# KiCad board paws60.kicad_pcb (continued)
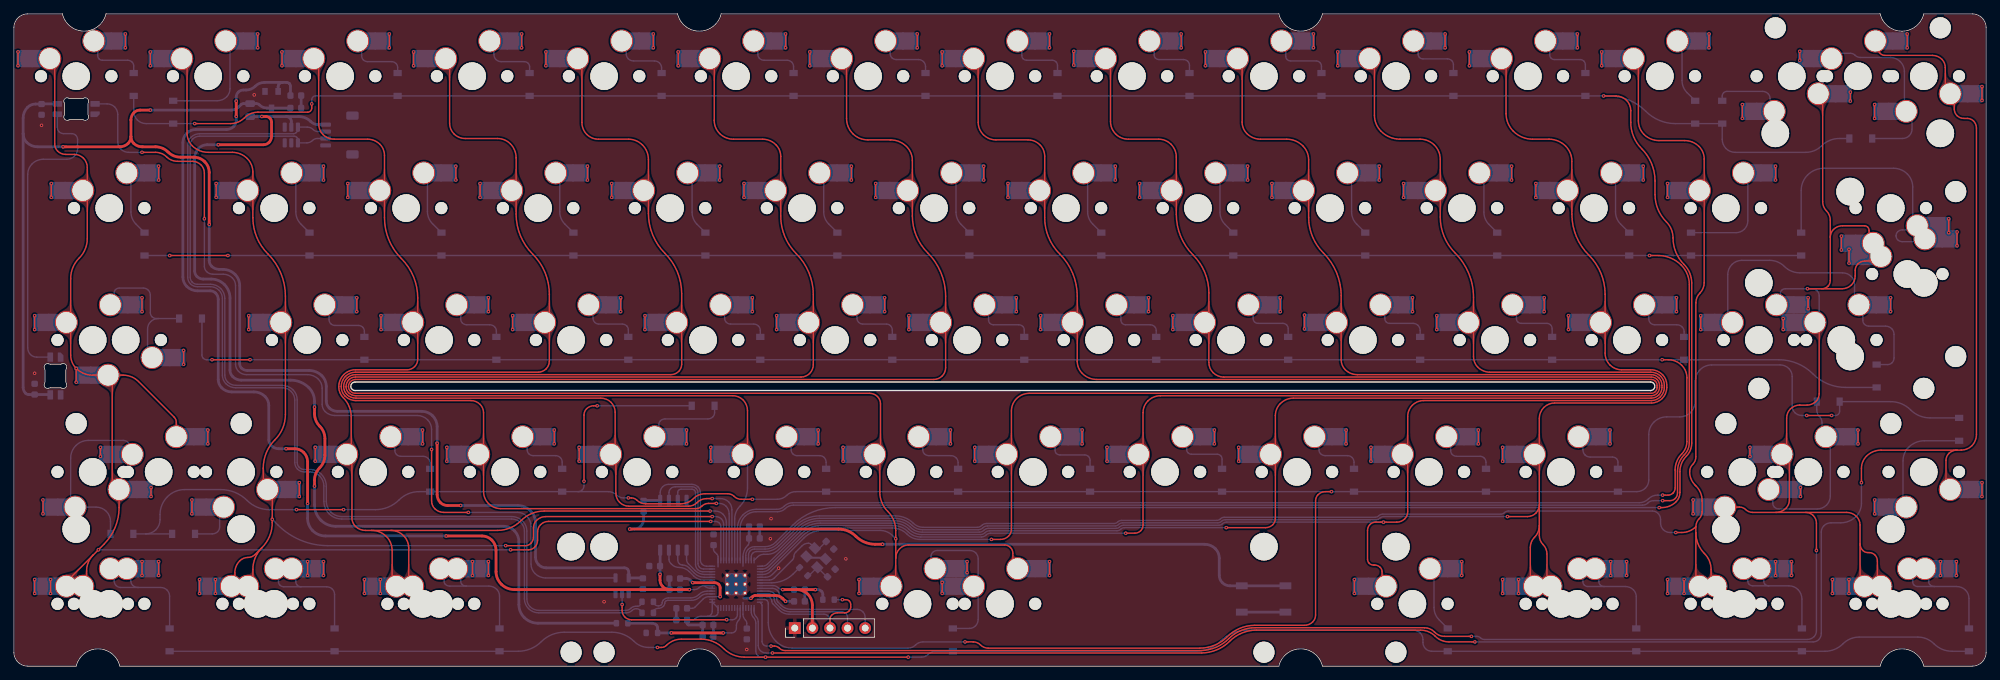
[diagram p0: board, top side]
## Routing (per net, layer and track width the routed paths; a pad name or vN(x,y) marks a point on that pad's centre or on a via; arc(x,y) is an arc through that point) (continued)
+5V: length 221.4
  Top w0.4: v1(19.7,80.3) 18.21,80.3 arc(17.74,80.21) 17.34,79.94 arc(17.01,79.45) 16.9,78.88 16.9,76.46 ; v1(61.1,32.2) 61.1,24.77 arc(61.22,24.15) 61.58,23.62 arc(62.05,23.31) 62.6,23.2 v1(64.5,23.2) ; v1(28.2,63.8) 28.2,71.31 arc(28.04,72.13) 27.57,72.83 arc(26.83,73.33) 25.95,73.5 24.06,73.5 arc(23.08,73.7) 22.25,74.25 arc(21.42,74.81) 20.44,75 18.51,75 arc(17.85,75.13) 17.3,75.5 arc(17,75.94) 16.9,76.46 ; v1(7.1,75) 15.29,75 arc(15.95,75.13) 16.5,75.5 arc(16.8,75.94) 16.9,76.46
  Bottom w0.4: LED1.1 4.03,81.2 C19.1 3.13,81.18 arc(2.51,81.05) 1.98,80.7 arc(1.51,79.99) 1.34,79.16 1.34,76.9 ; v1(61.1,32.2) 61.1,34.58 arc(60.93,35.43) 60.45,36.15 arc(59.73,36.63) 58.88,36.8 46.69,36.8 arc(46.05,36.93) 45.51,37.29 arc(45.21,37.74) 45.1,38.28 45.1,40.41 arc(44.94,41.23) 44.47,41.93 arc(43.62,42.5) 42.61,42.7 33.69,42.7 arc(33.24,42.79) 32.86,43.04 arc(32.67,43.33) 32.6,43.66 32.6,54.95 arc(32.43,55.83) 31.93,56.57 arc(31.12,57.11) 30.17,57.3 29.65,57.3 arc(29.05,57.42) 28.54,57.76 arc(28.29,58.14) 28.2,58.59 v1(28.2,63.8) ; C18.1 90.74,12.74 U3.5 88.75,13.64 arc(88.71,13.83) 88.6,14 arc(88.38,14.15) 88.11,14.2 76.84,14.2 arc(76.25,14.32) 75.75,14.65 arc(75.42,15.15) 75.3,15.73 75.3,20.72 arc(75.12,21.63) 74.61,22.39 74.56,22.44 arc(73.72,23) 72.72,23.2 v1(64.5,23.2) ; 1.34,76.9 1.34,40.26 arc(1.43,39.8) 1.69,39.41 arc(1.89,39.27) 2.13,39.23 C20.1 5.2,39.23 LED2.1 ; 1.34,76.9 arc(1.48,76.21) 1.86,75.64 arc(2.57,75.17) 3.4,75 v1(7.1,75) ; v1(19.7,80.3) 31.39,80.3 arc(31.95,80.41) 32.43,80.73 32.79,81.09 arc(32.95,81.2) 33.14,81.24 F1.2 34.99,81.24 arc(35.24,81.19) 35.45,81.05 arc(35.95,80.72) 36.53,80.6 RG1.3 39.93,80.6
/VBUS_DETECT: length 20.2
  Top w0.4: v1(94.9,4.8) v1(102.4,4.8)
  Bottom w0.2: v1(102.4,4.8) 103.61,4.8 arc(103.88,4.85) 104.1,5 arc(104.25,5.22) 104.3,5.48 104.3,5.87 arc(104.38,6.27) 104.6,6.6 arc(104.79,6.88) 104.85,7.2 U1.34
  Bottom w0.4: R4.2 92.11,6.2 arc(92.47,6.13) 92.78,5.92 arc(92.89,5.76) 92.93,5.57 R5.1 v1(94.9,4.8)
GND: length 26.5
  Bottom w0.2: v1(110.4,14.15) 109.49,13.25 arc(109.04,12.94) 108.5,12.83 U1.19
  Bottom w0.3: Y1.2 114.6,15.65 117,15.65 Y1.4
  Bottom w0.4: BOOT.1 BOOT.1 ; C18.2 90.87,11.05 C11.2 C12.2 ; C10.2 C2.2 ; C8.2 C9.2 ; C1.2 C3.2 ; C6.2 C7.2 ; C17.2 C16.2
  vias: v1(3,42.3) v1(4,78.1) v1(34.7,82.5) v1(85.2,9.3) v1(105.8,2.4) v1(109.2,18.4) v1(109.3,21.3) v1(120.1,15.5)
VBUS: length 151.7
  Top w0.4: v1(35.8,79.38) 36.4,79.38 arc(36.7,79.32) 36.95,79.15 arc(37.13,78.87) 37.2,78.55 37.2,76.54 arc(37.1,76.04) 36.82,75.62 arc(36.47,75.38) 36.05,75.3 v1(29.5,75.3) ; v1(43.4,37.4) 43.4,36.47 arc(43.6,35.48) 44.16,34.64 arc(44.71,33.82) 44.9,32.85 44.9,30.47 arc(44.7,29.48) 44.15,28.65 arc(43.59,27.82) 43.4,26.84 v1(43.4,26)
  Bottom w0.2: 35.74,79.36 35.75,79.38 35.77,79.36
  Bottom w0.4: J1.1 43.95,78.2 arc(43.35,78.32) 42.84,78.66 arc(42.06,79.18) 41.14,79.36 39.32,79.36 ; F1.1 35.74,79.36 ; v1(43.4,37.4) 43.4,38.26 arc(43.19,39.31) 42.59,40.21 arc(41.38,41.02) 39.96,41.3 32.83,41.3 arc(32.16,41.43) 31.59,41.81 arc(31.3,42.24) 31.2,42.75 31.2,53.15 arc(30.99,54.21) 30.39,55.11 arc(29.52,55.7) 28.49,55.9 27.34,55.9 arc(26.84,56) 26.42,56.28 arc(26.18,56.63) 26.1,57.05 26.1,73.36 arc(26.25,74.14) 26.7,74.8 arc(27.25,75.17) 27.91,75.3 v1(29.5,75.3) ; 39.32,79.36 35.77,79.36 ; 39.32,79.36 arc(39.61,79.3) 39.86,79.14 arc(40,78.93) 40.05,78.68 ESD1.5 ; R4.1 75.67,6.2 arc(74.59,6.41) 73.67,7.03 arc(73.1,7.88) 72.9,8.9 72.9,18 arc(72.73,18.83) 72.26,19.54 arc(71.53,20.03) 70.66,20.2 46.45,20.2 arc(45.3,20.43) 44.32,21.08 arc(43.64,22.1) 43.4,23.3 v1(43.4,26)
/DM: length 148.1
  Bottom w0.2: R7.2 90.68,7.83 90.44,8.06 arc(90.17,8.24) 89.85,8.3 arc(89.53,8.24) 89.25,8.05 arc(88.86,7.79) 88.4,7.7 75.77,7.7 arc(74.97,7.86) 74.29,8.31 arc(73.85,8.96) 73.7,9.73 73.7,19.52 arc(73.58,20.15) 73.22,20.68 arc(72.59,21.1) 71.84,21.25 47.33,21.25 arc(46.34,21.45) 45.5,22.01 arc(44.94,22.84) 44.75,23.81 44.75,26.02 arc(44.6,26.79) 44.16,27.44 arc(43.49,27.89) 42.7,28.05 41.92,28.05 arc(41.39,28.16) 40.94,28.46 arc(40.65,28.89) 40.55,29.41 40.55,38.42 arc(40.42,39.09) 40.04,39.66 arc(39.44,40.06) 38.74,40.2 32.03,40.2 arc(31.26,40.35) 30.61,40.79 arc(30.23,41.35) 30.1,42.02 30.1,53.1 arc(29.97,53.75) 29.61,54.29 arc(29.05,54.67) 28.38,54.8 26.47,54.8 arc(25.94,54.9) 25.5,55.2 arc(25.2,55.64) 25.1,56.16 25.1,75.22 arc(25.22,75.85) 25.58,76.38 arc(26.14,76.75) 26.8,76.89 40.38,76.89 arc(40.57,76.92) 40.73,77.03 41,77.3 ESD1.6 42.36,77.84 arc(42.82,77.75) 43.21,77.49 arc(43.53,77.28) 43.91,77.2 J1.2
/DP: length 147.2
  Bottom w0.2: J1.3 43.81,76.2 arc(43.43,76.12) 43.11,75.91 arc(42.73,75.66) 42.29,75.57 ESD1.1 41,76.2 40.81,76.39 arc(40.65,76.5) 40.46,76.54 26.82,76.54 arc(26.28,76.43) 25.82,76.12 arc(25.55,75.71) 25.45,75.22 25.45,56.16 arc(25.53,55.78) 25.74,55.46 25.76,55.44 arc(26.08,55.23) 26.46,55.15 28.37,55.15 arc(29.18,54.99) 29.86,54.53 arc(30.3,53.88) 30.45,53.11 30.45,42.03 arc(30.56,41.49) 30.86,41.04 arc(31.4,40.68) 32.04,40.55 38.71,40.55 arc(39.57,40.38) 40.3,39.89 arc(40.74,39.23) 40.9,38.45 40.9,29.41 arc(40.98,29.03) 41.19,28.71 41.21,28.69 arc(41.53,28.48) 41.91,28.4 42.77,28.4 arc(43.63,28.23) 44.36,27.74 arc(44.91,26.92) 45.1,25.95 45.1,23.78 arc(45.26,22.97) 45.72,22.28 arc(46.47,21.78) 47.36,21.6 71.85,21.6 arc(72.72,21.43) 73.46,20.93 arc(73.9,20.28) 74.05,19.51 74.05,9.69 arc(74.17,9.09) 74.51,8.59 arc(75.1,8.19) 75.81,8.05 88.35,8.05 arc(88.72,8.12) 89.05,8.34 arc(89.39,8.57) 89.79,8.65 90.04,8.65 arc(90.23,8.69) 90.4,8.8 90.68,9.08 R6.2
/~{USB_BOOT}: length 103.6
  Top w0.4: v1(88.9,19.8) 119.02,19.8 arc(120.39,19.53) 121.55,18.75 arc(122.82,17.9) 124.33,17.6 v1(125.4,17.6)
  Bottom w0.4: BOOT.2 BOOT.2 175.55,11.6 arc(174.95,11.72) 174.44,12.06 arc(174.11,12.55) 174,13.13 174,15.62 arc(173.86,16.34) 173.45,16.95 arc(172.73,17.43) 171.89,17.6 v1(125.4,17.6) ; R3.1 90.9,21.22 arc(90.79,20.65) 90.46,20.16 arc(90.06,19.89) 89.58,19.8 v1(88.9,19.8)
ARGB_3V3: length 21.2
  Top w0.2: v1(87.8,8.9) 87.8,8.06 arc(87.9,7.54) 88.19,7.11 arc(88.64,6.81) 89.17,6.7 v1(102.9,6.7)
  Bottom w0.2: v1(102.9,6.7) 103.7,6.7 arc(103.98,6.76) 104.21,6.91 arc(104.39,7.18) 104.45,7.49 U1.35 ; U3.2 v1(87.8,8.9)
ARGB_5V: length 133.7
  Top w0.2: v1(60.3,31.3) 60.3,23.86 arc(60.42,23.25) 60.77,22.73 arc(61.36,22.34) 62.05,22.2 v1(65.6,22.2) ; v1(18.5,74.2) 20.46,74.2 arc(21.33,74.03) 22.07,73.53 arc(22.77,73.06) 23.6,72.9 25.78,72.9 arc(26.44,72.77) 27.01,72.39 arc(27.37,71.85) 27.5,71.21 v1(27.5,64.6)
  Bottom w0.2: U3.4 76.77,12.74 arc(75.93,12.9) 75.22,13.38 arc(74.8,14.01) 74.65,14.76 74.65,20.21 arc(74.5,20.99) 74.05,21.65 arc(73.44,22.06) 72.72,22.2 v1(65.6,22.2) ; v1(18.5,74.2) 16.57,74.2 arc(15.95,74.32) 15.42,74.68 arc(15.11,75.15) 15,75.7 15,79.66 arc(14.88,80.25) 14.55,80.75 arc(14.05,81.08) 13.46,81.2 LED1.3 ; v1(60.3,31.3) 60.3,34.19 arc(60.15,34.94) 59.72,35.58 arc(59.03,36.04) 58.22,36.2 46.3,36.2 arc(45.56,36.35) 44.94,36.76 arc(44.61,37.25) 44.5,37.82 44.5,40.14 arc(44.36,40.84) 43.96,41.44 arc(43.23,41.93) 42.37,42.1 33.57,42.1 arc(32.95,42.22) 32.43,42.57 arc(32.11,43.05) 32,43.6 32,54.97 arc(31.88,55.55) 31.55,56.05 arc(30.94,56.46) 30.22,56.6 28.74,56.6 arc(28.24,56.7) 27.82,56.98 arc(27.58,57.33) 27.5,57.75 v1(27.5,64.6)
Col0: length 222.1
  Top w0.2: v1(3,12.5) v1(3,10.5) ; MX48.2 23.45,35.24 arc(23.37,35.62) 23.15,35.95 18,41.1 arc(16.98,41.78) 15.78,42.02 MX33.2 ; MX33.2 14.2,41.42 14.2,26.5 MX47.1 15.19,22.9 arc(14.62,20.03) 12.99,17.59 v1(12.2,16.8) 11.46,16.06 ; MX33.2 11.37,42.02 arc(10.09,42.27) v1(9,43) ; v1(3,50.6) v1(3,48.6) ; 11.46,16.06 7.57,12.17 MX63.1 ; 11.46,16.06 arc(10.75,15) 10.5,13.75 10.5,12.09 MX71.1 ; v1(19.8,25.8) v1(19.8,24.5) ; v1(5.4,69.7) v1(5.4,67.7) ; v1(100.6,20.9) 77.17,20.9 arc(76.55,20.78) 76.03,20.43 arc(75.71,19.95) 75.6,19.39 75.6,18.18 arc(75.49,17.64) 75.19,17.19 arc(74.76,16.9) 74.25,16.8 v1(71.7,16.8) ; v1(9,43) v1(9,41) ; v1(9,43) arc(8.41,43.89) 8.2,44.93 8.2,49.01 MX32.1 8.2,50.27 8.2,55.96 arc(8.52,57.57) 9.43,58.93 arc(10.3,60.23) 10.6,61.75 10.6,68.04 MX17.1 10.6,69.34 10.6,72.02 arc(10.46,72.74) 10.05,73.35 arc(9.44,73.76) 8.73,73.9 7.49,73.9 arc(6.85,74.03) 6.31,74.39 arc(6.01,74.84) 5.9,75.39 5.9,87.03 MX1.1 ; v1(0.6,88.7) v1(0.6,86.7) ; v1(5.3,12.5) v1(5.3,10.5) ; v1(28,32.1) v1(28,34.1)
  Bottom w0.2: U1.2 102.05,20.16 arc(102,20.43) 101.84,20.66 arc(101.57,20.84) 101.26,20.9 v1(100.6,20.9) ; v1(12.2,16.8) v1(71.7,16.8)
Col1: length 183.4
  Top w0.2: MX72.1 34.5,12.28 34.5,13.93 arc(34.84,15.66) 35.82,17.12 ; v1(19.7,88.7) v1(19.7,86.7) ; MX2.1 25,86.98 25,76.97 arc(25.2,75.98) 25.76,75.14 arc(26.8,74.44) 28.03,74.2 31.54,74.2 arc(32.7,73.97) 33.69,73.31 arc(34.29,72.41) 34.5,71.36 34.5,69.43 MX18.1 34.5,67.96 34.5,64.78 arc(35.07,61.93) 36.68,59.52 arc(38.54,56.73) 39.2,53.43 39.2,50.31 MX34.1 39.2,48.97 39.2,36.32 arc(38.81,34.36) 37.7,32.7 arc(36.44,30.82) 36,28.6 36,26.13 MX49.1 37.3,24.83 v1(37.3,21.2) 37.3,20.69 arc(36.92,18.76) 35.82,17.12 ; v1(33.9,48.6) v1(33.9,50.6) ; v1(26.8,12.5) v1(26.8,10.5) ; v1(41.2,26.5) v1(41.2,24.5) ; 35.82,17.12 34.83,16.13 arc(34.35,15.81) 33.79,15.7 arc(33.15,15.57) 32.61,15.21 arc(32.09,14.42) 31.9,13.49 31.9,12.06 MX64.1 ; v1(29.1,12.5) v1(29.1,10.5) ; v1(29.2,69.7) v1(29.2,67.7) ; v1(100.8,21.6) 76.77,21.6 arc(76.06,21.46) 75.45,21.05 arc(75.12,20.55) 75,19.96 75,18.62 arc(74.9,18.14) 74.63,17.73 arc(74.26,17.49) 73.83,17.4 v1(71,17.4)
  Bottom w0.2: v1(71,17.4) 45.33,17.4 arc(41.42,18.18) 38.11,20.39 v1(37.3,21.2) ; v1(100.8,21.6) 101.32,21.6 arc(101.76,21.51) 102.14,21.26 arc(102.37,20.92) 102.45,20.51 U1.3
Col2: length 181.4
  Top w0.2: v1(100.5,22.4) 76.55,22.4 arc(74.75,22.04) 73.22,21.02 arc(71.65,19.97) 69.79,19.6 54.43,19.6 ; 51.66,19.6 54.43,19.6 ; 51.66,19.6 50.75,19.6 arc(49.96,19.76) 49.3,20.2 arc(48.93,20.75) 48.8,21.41 48.8,29.84 MX50.1 48.7,31.24 48.7,35.99 arc(48.4,37.5) 47.55,38.78 arc(47.07,39.49) 46.9,40.34 arc(47.09,41.3) 47.63,42.11 arc(48.39,42.62) 49.29,42.8 56.76,42.8 arc(57.35,42.92) 57.85,43.25 arc(58.18,43.75) 58.3,44.34 58.3,48.92 MX35.1 58.3,50.36 58.3,53.17 arc(57.69,56.25) 55.94,58.86 arc(54.14,61.56) 53.5,64.76 53.5,68.01 MX19.1 53.5,69.38 53.5,73.77 arc(53.33,74.63) 52.84,75.36 arc(52.02,75.91) 51.05,76.1 46.24,76.1 arc(45.37,76.27) 44.63,76.77 arc(44.16,77.47) 44,78.3 44,87.03 MX3.1 ; 51.66,19.6 arc(52.81,19.37) 53.77,18.73 arc(54.39,17.81) 54.6,16.73 54.6,12.14 MX65.1 ; 54.43,19.6 arc(55.42,19.4) 56.25,18.85 arc(56.81,18.02) 57,17.04 57,12.12 MX73.1 ; v1(48.2,69.7) v1(48.2,67.7) ; v1(38.7,88.7) v1(38.7,86.7) ; v1(53,50.6) v1(53,48.6) ; v1(50.6,12.5) v1(50.6,10.5) ; v1(43.5,31.6) v1(43.5,29.6) ; v1(52.9,12.5) v1(52.9,10.5)
  Bottom w0.2: v1(100.5,22.4) 101.24,22.4 arc(101.85,22.28) 102.36,21.94 arc(102.72,21.4) 102.85,20.76 U1.4
Col3: length 173.2
  Top w0.2: v1(67.3,69.7) v1(67.3,67.7) ; v1(72,50.6) v1(72,48.6) ; v1(101.4,23.5) 100.26,23.5 arc(99.74,23.4) 99.3,23.1 arc(98.91,22.84) 98.45,22.75 70.28,22.75 arc(69.33,22.94) 68.52,23.48 arc(67.99,24.28) 67.8,25.22 67.8,29.89 MX51.1 67.8,31.29 67.8,36.59 arc(67.67,37.25) 67.3,37.8 arc(66.69,38.21) 65.97,38.35 49.38,38.35 arc(48.54,38.52) 47.82,39 arc(47.4,39.63) 47.25,40.37 arc(47.41,41.17) 47.86,41.85 arc(48.53,42.29) 49.32,42.45 75.67,42.45 arc(76.3,42.57) 76.83,42.93 arc(77.18,43.45) 77.3,44.06 77.3,48.97 MX36.1 77.3,50.31 77.3,53.7 arc(76.68,56.84) 74.9,59.5 arc(73.12,62.16) 72.5,65.29 72.5,68.06 MX20.1 72.5,69.33 72.5,73.43 arc(72.28,74.51) 71.67,75.43 arc(70.82,76) 69.81,76.2 65.15,76.2 arc(64.27,76.37) 63.53,76.87 arc(63.06,77.57) 62.9,78.39 62.9,87.18 MX4.1 ; v1(62.5,31.6) v1(62.5,29.6) ; v1(57.7,88.7) v1(57.7,86.7)
  Bottom w0.2: v1(101.4,23.5) 101.85,23.5 arc(102.36,23.4) 102.79,23.11 arc(103.13,22.6) 103.25,22 U1.5
Col4: length 192.7
  Top w0.2: v1(100.8,24.2) 100.02,24.2 arc(99.26,24.05) 98.62,23.62 arc(98.04,23.23) 97.36,23.1 88.79,23.1 arc(88.06,23.24) 87.44,23.66 arc(87.04,24.26) 86.9,24.96 86.9,29.84 MX52.1 86.8,31.24 86.8,36.66 arc(86.65,37.44) 86.2,38.1 arc(85.53,38.54) 84.74,38.7 49.37,38.7 arc(48.67,38.84) 48.07,39.24 arc(47.72,39.76) 47.6,40.38 arc(47.73,41.04) 48.1,41.59 arc(48.67,41.97) 49.33,42.1 94.84,42.1 arc(95.45,42.22) 95.97,42.57 arc(96.29,43.05) 96.4,43.61 96.4,48.92 MX37.1 96.4,50.36 96.4,53.8 arc(95.78,56.94) 94,59.6 arc(92.22,62.26) 91.6,65.39 91.6,68.01 90.92,68.69 91.6,69.38 91.6,73.18 arc(91.38,74.31) 90.74,75.26 arc(89.81,75.88) 88.72,76.1 84.38,76.1 arc(83.47,76.28) 82.71,76.79 arc(82.18,77.58) 82,78.5 82,87.13 MX5.1 ; v1(76.8,88.7) v1(76.8,86.7) ; v1(91.1,50.6) v1(91.1,48.6) ; v1(86.3,69.7) v1(86.3,67.7) ; v1(81.6,31.6) v1(81.6,29.6)
  Bottom w0.2: v1(100.8,24.2) 102.01,24.2 arc(102.65,24.07) 103.19,23.71 arc(103.53,23.2) 103.65,22.6 U1.6
Col5: length 214.1
  Top w0.2: v1(100.6,31.6) v1(100.6,29.6) ; v1(105.4,69.7) v1(105.4,67.7) ; MX53.1 105.9,31.29 105.9,36.9 arc(105.73,37.73) 105.26,38.44 arc(104.58,38.89) 103.78,39.05 49.39,39.05 arc(48.8,39.17) 48.31,39.5 arc(48.04,39.89) 47.95,40.36 arc(48.06,40.9) 48.36,41.36 arc(48.8,41.65) 49.31,41.75 113.62,41.75 arc(114.29,41.88) 114.87,42.27 arc(115.26,42.86) 115.4,43.55 115.4,48.97 MX38.1 115.4,50.31 115.4,53.65 arc(114.77,56.84) 112.96,59.54 arc(111.29,62.04) 110.7,65 110.7,67.96 MX22.1 110.7,69.43 110.7,73.61 arc(110.52,74.52) 110,75.3 arc(109.11,75.89) 108.07,76.1 103.86,76.1 arc(102.79,76.31) 101.88,76.92 arc(101.3,77.78) 101.1,78.8 101.1,87.08 MX6.1 ; v1(110.1,50.6) v1(110.1,48.6) ; v1(95.9,88.7) v1(95.9,86.7)
  Bottom w0.2: MX53.1 105.9,29.89 105.9,25.73 arc(105.62,24.31) 104.82,23.11 arc(104.25,22.26) 104.05,21.26 U1.7
Col6: length 303.7
  Top w0.2: v1(149.5,13.1) v1(149.5,15.1) ; MX66.1 127.3,12.21 127.3,15.61 ; 127.3,15.61 v1(127.3,18.4) 127.3,19.58 arc(127,21.08) 126.15,22.35 arc(125.3,23.62) 125,25.13 125,29.84 MX54.1 125.1,31.44 125.1,37.88 arc(124.99,38.45) 124.66,38.94 arc(124.15,39.28) 123.54,39.4 49.31,39.4 arc(48.93,39.47) 48.61,39.69 48.58,39.72 arc(48.37,40.03) 48.3,40.39 arc(48.38,40.77) 48.59,41.09 arc(48.93,41.32) 49.34,41.4 132.78,41.4 arc(133.45,41.53) 134.01,41.91 arc(134.37,42.45) 134.5,43.1 134.5,48.92 MX39.1 134.5,50.36 134.5,53.42 arc(133.82,56.82) 131.9,59.7 arc(130.27,62.14) 129.7,65.01 129.7,68.01 MX23.1 129.7,69.38 129.7,73.01 arc(129.48,74.11) 128.86,75.04 arc(127.8,75.75) 126.54,76 123.27,76 arc(122.1,76.23) 121.1,76.9 arc(120.44,77.9) 120.2,79.08 120.2,87.03 MX7.1 ; 127.3,15.61 arc(127.44,16.34) 127.86,16.96 arc(128.46,17.36) 129.17,17.5 142.99,17.5 arc(143.46,17.41) 143.86,17.14 arc(144.11,16.76) 144.2,16.32 144.2,14.77 MX74.2 ; v1(124.4,69.7) v1(124.4,67.7) ; v1(122,12.5) v1(122,10.5) ; v1(119.7,31.6) v1(119.7,29.6) ; v1(129.2,50.6) v1(129.2,48.6) ; v1(114.9,88.7) v1(114.9,86.7)
  Bottom w0.2: v1(127.3,18.4) 126.86,18.84 arc(126.02,19.4) 125.03,19.6 116.67,19.6 arc(115.25,19.32) 114.05,18.52 109.25,13.71 arc(108.72,13.36) 108.1,13.23 U1.18
Col7: length 300.6
  Top w0.2: MX8.1 139.2,87.08 139.2,78.56 arc(139.39,77.58) 139.95,76.75 arc(140.78,76.2) 141.76,76 146.38,76 arc(147.32,75.81) 148.12,75.28 arc(148.62,74.53) 148.8,73.64 148.8,69.43 MX24.1 148.8,67.96 148.8,64.78 arc(149.37,61.93) 150.97,59.53 arc(152.84,56.73) 153.5,53.43 153.5,50.31 MX40.1 153.5,48.97 153.5,44.03 arc(153.69,43.08) 154.23,42.27 arc(155.19,41.63) 156.33,41.4 236.34,41.4 arc(236.67,41.33) 236.96,41.14 arc(237.14,40.87) 237.2,40.55 237.2,40.26 arc(237.13,39.93) 236.94,39.64 arc(236.67,39.46) 236.36,39.4 146.58,39.4 arc(145.58,39.2) 144.74,38.64 arc(144.19,37.82) 144,36.85 144,31.29 MX55.1 144,29.89 144,19.79 arc(143.89,19.24) 143.59,18.79 arc(143.05,18.43) 142.41,18.3 v1(141.1,18.3) ; v1(134,88.7) v1(134,86.7) ; v1(148.2,50.6) v1(148.2,48.6) ; v1(138.7,31.6) v1(138.7,29.6) ; v1(143.5,69.7) v1(143.5,67.7)
  Bottom w0.2: v1(141.1,18.3) 130.77,18.3 arc(129.78,18.5) 128.94,19.06 arc(127.95,19.72) 126.79,19.95 116.58,19.95 arc(115.11,19.66) 113.86,18.82 109.1,14.06 arc(108.63,13.74) 108.08,13.63 U1.17
Col8: length 281.4
  Top w0.2: v1(157.8,31.6) v1(157.8,29.6) ; v1(153,88.8) v1(153,86.8) ; v1(162.5,69.7) v1(162.5,67.7) ; MX9.1 158.3,87.03 158.3,78.66 arc(158.49,77.68) 159.05,76.85 arc(159.88,76.3) 160.87,76.1 165.26,76.1 arc(166.22,75.91) 167.04,75.36 arc(167.6,74.52) 167.8,73.52 167.8,69.38 MX25.1 167.8,68.01 167.8,65.24 arc(168.43,62.06) 170.23,59.37 arc(171.91,56.86) 172.5,53.89 172.5,50.26 MX41.1 172.5,49.02 172.5,43.87 arc(172.66,43.07) 173.11,42.39 arc(173.82,41.92) 174.65,41.75 236.35,41.75 arc(236.81,41.66) 237.2,41.4 arc(237.46,41.01) 237.55,40.55 237.55,40.27 arc(237.46,39.79) 237.19,39.39 arc(236.81,39.14) 236.36,39.05 165.52,39.05 arc(164.53,38.85) 163.69,38.29 arc(163.18,37.53) 163,36.62 163,31.24 MX56.1 163,29.94 163,20.39 arc(162.91,19.94) 162.66,19.56 arc(162.26,19.29) 161.8,19.2 v1(160.5,19.2) ; v1(167.3,50.6) v1(167.3,48.6)
  Bottom w0.2: U1.16 108.08,14.03 arc(108.54,14.13) 108.94,14.39 113.66,19.11 arc(114.97,19.99) 116.52,20.3 126.94,20.3 arc(128.1,20.07) 129.08,19.41 arc(129.93,18.85) 130.92,18.65 139.67,18.65 arc(140.02,18.72) 140.32,18.92 arc(140.63,19.13) 141,19.2 v1(160.5,19.2)
Col9: length 261.8
  Top w0.2: MX10.1 177.3,87.08 177.3,78.57 arc(177.48,77.67) 177.99,76.91 arc(178.89,76.31) 179.95,76.1 183.73,76.1 arc(185,75.85) 186.07,75.13 arc(186.68,74.21) 186.9,73.13 186.9,69.43 MX26.1 186.9,67.96 186.9,64.82 arc(187.45,62.03) 189.04,59.66 arc(190.93,56.82) 191.6,53.47 191.6,50.31 MX42.1 191.6,48.97 191.6,44.22 arc(191.75,43.46) 192.18,42.82 arc(192.98,42.29) 193.92,42.1 236.34,42.1 arc(236.94,41.98) 237.45,41.64 arc(237.78,41.14) 237.9,40.55 237.9,40.24 arc(237.78,39.66) 237.45,39.17 arc(236.94,38.82) 236.33,38.7 184.71,38.7 arc(183.69,38.5) 182.82,37.92 arc(182.29,37.12) 182.1,36.19 182.1,31.29 MX57.1 182.1,29.89 182.1,21.32 arc(182,20.84) 181.73,20.43 arc(181.25,20.11) 180.69,20 v1(175,20) ; v1(186.3,50.7) v1(186.3,48.7) ; v1(181.6,69.7) v1(181.6,67.7) ; v1(176.8,31.6) v1(176.8,29.6) ; v1(172,88.7) v1(172,86.7)
  Bottom w0.2: U1.15 108.07,14.43 arc(108.46,14.51) 108.78,14.73 113.48,19.43 arc(114.83,20.33) 116.42,20.65 127.08,20.65 arc(128.24,20.42) 129.23,19.76 arc(130.07,19.2) 131.06,19 139.53,19 arc(139.88,19.07) 140.17,19.26 arc(140.49,19.48) 140.86,19.55 159.23,19.55 arc(159.53,19.61) 159.78,19.78 arc(160.02,19.94) 160.32,20 v1(175,20)
Col10: length 257.1
  Top w0.2: MX11.1 196.4,87.03 196.4,79.56 arc(196.65,78.3) 197.36,77.24 arc(198.62,76.4) 200.11,76.1 202.99,76.1 arc(204.11,75.88) 205.06,75.24 arc(205.68,74.31) 205.9,73.21 205.9,69.38 MX27.1 205.9,68.01 205.9,64.87 arc(206.46,62.03) 208.07,59.63 arc(210.02,56.72) 210.7,53.28 210.7,50.36 MX43.1 210.7,48.92 210.7,44.68 arc(210.86,43.87) 211.32,43.18 arc(212.13,42.64) 213.09,42.45 236.31,42.45 arc(237.07,42.3) 237.72,41.87 arc(238.11,41.28) 238.25,40.58 238.25,40.27 arc(238.1,39.53) 237.68,38.9 arc(237.08,38.49) 236.37,38.35 203.51,38.35 arc(202.62,38.18) 201.87,37.67 arc(201.37,36.93) 201.2,36.05 201.2,31.34 MX58.1 201.2,29.84 201.2,22.3 arc(201.09,21.75) 200.78,21.28 arc(200.25,20.92) 199.63,20.8 v1(197.7,20.8) 196.59,20.8 arc(196.14,20.71) 195.75,20.45 arc(195.49,20.06) 195.4,19.6 195.4,15.43 arc(195.46,15.13) 195.63,14.87 arc(195.93,14.67) 196.27,14.6 196.43,14.6 arc(196.86,14.51) 197.23,14.27 arc(197.43,13.97) 197.5,13.62 197.5,12.11 MX67.1 ; v1(205.4,50.6) v1(205.4,48.6) ; v1(200.6,69.7) v1(200.6,67.7) ; v1(195.9,31.6) v1(195.9,29.6) ; v1(191.1,88.7) v1(191.1,86.7) ; v1(193.5,12.5) v1(193.5,10.5)
  Bottom w0.2: U1.14 107.36,15.78 arc(107.77,16.06) 108.26,16.15 108.75,16.15 arc(109.64,16.33) 110.39,16.84 113.3,19.74 arc(114.69,20.67) 116.33,21 127.16,21 arc(128.38,20.75) 129.42,20.06 arc(130.21,19.53) 131.14,19.35 139.36,19.35 arc(139.72,19.42) 140.02,19.62 arc(140.33,19.83) 140.69,19.9 159.13,19.9 arc(159.38,19.95) 159.6,20.09 arc(159.88,20.28) 160.22,20.35 173.97,20.35 arc(174.23,20.4) 174.45,20.55 arc(174.73,20.73) 175.06,20.8 v1(197.7,20.8)
Col11: length 249.5
  Top w0.2: v1(214.9,12.5) v1(214.9,10.5) ; v1(217.2,12.5) v1(217.2,10.5) ; 220.2,20.29 220.2,23.29 ; 220.2,20.29 220.2,18.86 arc(220.34,18.16) 220.73,17.57 arc(221.15,16.94) 221.3,16.2 221.3,12.12 MX68.1 ; 220.2,20.29 arc(220.02,19.38) 219.5,18.6 arc(219.06,17.94) 218.9,17.16 218.9,12.14 MX75.1 ; 220.2,23.29 220.2,29.89 MX59.1 220.2,31.29 220.2,35.76 arc(220.37,36.63) 220.86,37.36 arc(221.57,37.84) 222.41,38 236.36,38 arc(237.21,38.17) 237.93,38.65 arc(238.42,39.39) 238.6,40.27 238.6,40.62 arc(238.44,41.41) 237.99,42.09 arc(237.2,42.61) 236.28,42.8 232.08,42.8 arc(231.17,42.98) 230.4,43.49 arc(229.88,44.27) 229.7,45.19 229.7,48.97 MX44.1 229.7,50.31 229.7,53.69 arc(229.09,56.75) 227.36,59.34 arc(225.54,62.06) 224.9,65.28 224.9,68.06 MX28.1 224.9,69.33 224.9,72.91 arc(224.66,74.1) 223.99,75.11 arc(222.89,75.84) 221.6,76.1 219.23,76.1 arc(217.72,76.4) 216.45,77.25 arc(215.67,78.41) 215.4,79.78 215.4,87.08 MX12.1 ; 220.2,23.29 arc(220.07,22.65) 219.71,22.11 arc(219.15,21.73) 218.48,21.6 v1(215.6,21.6) ; v1(219.7,69.7) v1(219.7,67.7) ; v1(210.1,88.7) v1(210.1,86.7) ; v1(214.9,31.6) v1(214.9,29.6) ; v1(224.4,50.6) v1(224.4,48.6)
  Bottom w0.2: U1.13 106.45,15.82 arc(106.5,16.08) 106.65,16.3 arc(106.93,16.49) 107.25,16.55 108.45,16.55 arc(109.53,16.77) 110.44,17.38 113.07,20.01 arc(114.55,21) 116.3,21.35 127.18,21.35 arc(128.52,21.08) 129.65,20.32 arc(130.35,19.86) 131.17,19.7 139.2,19.7 arc(139.57,19.77) 139.88,19.98 arc(140.18,20.18) 140.53,20.25 158.97,20.25 arc(159.24,20.3) 159.46,20.45 arc(159.74,20.63) 160.06,20.7 173.8,20.7 arc(174.08,20.75) 174.32,20.91 arc(174.58,21.09) 174.89,21.15 196.67,21.15 arc(196.93,21.2) 197.15,21.35 arc(197.43,21.53) 197.76,21.6 v1(215.6,21.6)
Col12: length 245.2
  Top w0.2: v1(238.7,69.7) v1(238.7,67.7) ; v1(239.9,19.3) 240.78,19.3 arc(241.87,19.52) 242.8,20.14 ; v1(241.1,12.5) v1(241.1,10.5) ; v1(238.7,12.5) v1(238.7,10.5) ; MX69.1 245,12.24 245,13.93 arc(244.75,15.2) 244.03,16.27 arc(243.12,17.63) 242.8,19.24 ; v1(229.2,88.7) v1(229.2,86.7) ; MX13.1 234.5,87.03 234.5,78.74 arc(234.71,77.69) 235.31,76.79 arc(236.3,76.13) 237.47,75.9 241.19,75.9 arc(242.31,75.68) 243.25,75.05 arc(243.81,74.22) 244,73.24 244,69.38 MX29.1 244,68.01 244,55.37 arc(243.84,54.57) 243.38,53.88 arc(242.95,53.24) 242.8,52.47 242.8,30.24 arc(242.68,29.65) 242.35,29.15 arc(242.02,28.65) 241.9,28.07 arc(242.11,27.02) 242.7,26.13 242.83,26 arc(243.48,25.04) 243.7,23.91 243.7,22.31 arc(243.59,21.77) 243.28,21.31 arc(242.93,20.77) 242.8,20.14 ; MX76.1 242.8,12.06 242.8,19.24 ; 242.8,19.24 242.8,20.14
  Bottom w0.2: v1(239.9,19.3) 239.07,19.3 arc(238.54,19.41) 238.1,19.7 arc(237.8,20.14) 237.7,20.66 237.7,21.18 arc(237.61,21.66) 237.34,22.06 arc(236.96,22.31) 236.53,22.4 215.72,22.4 arc(215.42,22.34) 215.17,22.17 arc(214.93,22.01) 214.64,21.95 197.6,21.95 arc(197.28,21.89) 197.01,21.71 arc(196.78,21.55) 196.51,21.5 174.72,21.5 arc(174.42,21.44) 174.17,21.27 arc(173.92,21.11) 173.63,21.05 159.9,21.05 arc(159.59,20.99) 159.33,20.81 arc(159.09,20.65) 158.81,20.6 140.37,20.6 arc(140.03,20.53) 139.74,20.34 arc(139.42,20.12) 139.04,20.05 131.25,20.05 arc(130.49,20.2) 129.84,20.63 arc(128.66,21.42) 127.27,21.7 116.3,21.7 arc(114.42,21.32) 112.83,20.26 110.21,17.64 arc(109.39,17.1) 108.43,16.9 106.89,16.9 arc(106.57,16.84) 106.29,16.66 arc(106.11,16.39) 106.05,16.07 U1.12
Col13: length 331.5
  Top w0.2: v1(242.4,24) v1(242.4,22) ; 262.2,61.94 262.2,55.68 arc(262.11,55.24) 261.86,54.86 arc(261.46,54.59) 260.99,54.5 ; 262.2,61.94 262.2,64.41 arc(262.06,65.14) 261.64,65.76 arc(261.24,66.36) 261.1,67.07 261.1,82.02 MX14.1 ; 262.2,61.94 arc(262.32,62.55) 262.67,63.07 arc(263.26,63.46) 263.95,63.6 267.12,63.6 arc(267.38,63.55) 267.6,63.4 arc(267.75,63.18) 267.8,62.92 267.8,61.67 MX30.2 268.4,60.28 MX31.1 268.84,58.5 267.21,58.5 arc(266.65,58.39) 266.17,58.07 arc(265.89,57.66) 265.8,57.18 265.8,56.36 arc(265.66,55.66) 265.27,55.07 arc(264.64,54.65) 263.9,54.5 260.99,54.5 ; MX60.2 249.12,22.97 arc(249.59,22.88) 249.99,22.61 arc(250.44,22.31) 250.98,22.2 254.37,22.2 ; 258.68,22.2 264.57,22.2 arc(265.34,22.05) 265.99,21.61 arc(266.37,21.04) 266.5,20.37 266.5,17.66 ; 258.68,22.2 254.37,22.2 ; 258.68,22.2 arc(259.25,22.09) 259.74,21.76 arc(260.08,21.25) 260.2,20.65 v1(260.2,16.7) ; v1(250.6,31.6) v1(250.6,30.3) ; v1(263.8,60.1) v1(263.8,62.1) ; MX77.1 266.5,12.17 266.5,17.66 ; v1(264.9,12.5) v1(264.9,10.5) ; MX70.1 269,12.05 269,15.18 arc(268.91,15.66) 268.64,16.06 arc(268.26,16.31) 267.83,16.4 267.63,16.4 arc(267.23,16.48) 266.89,16.71 arc(266.6,17.14) 266.5,17.66 ; 254.37,22.2 arc(255.14,22.35) 255.79,22.79 arc(256.17,23.36) 256.3,24.03 256.3,29.51 MX61.1 255.9,31.27 255.9,35.82 arc(256.04,36.54) 256.45,37.15 arc(257.06,37.56) 257.78,37.7 258.86,37.7 arc(259.54,37.84) 260.13,38.23 arc(260.48,38.75) 260.6,39.37 260.6,49.02 MX45.1 ; v1(259,53.2) v1(259,51.6) ; v1(262.5,12.5) v1(262.5,10.5) ; v1(264.9,60.2) v1(264.9,58.2) ; v1(109.3,2.9) 109.77,2.9 arc(110.17,2.82) 110.5,2.6 arc(110.89,2.34) 111.34,2.25 171.2,2.25 arc(173.47,2.7) 175.39,3.98 arc(177.12,5.14) 179.17,5.55 203.62,5.55 arc(204.38,5.4) 205.03,4.96 205.11,4.89 arc(205.76,4.45) 206.52,4.3 v1(210.4,4.3) ; 260.99,54.5 v1(258.9,54.5) ; v1(255.4,50.2) v1(255.4,48.6) ; v1(265.1,82.9) v1(265.1,81.6)
  Bottom w0.2: U1.28 107.9,9.02 arc(107.97,8.91) 108,8.78 108,3.58 arc(108.05,3.32) 108.2,3.1 arc(108.42,2.95) 108.68,2.9 v1(109.3,2.9) ; MX45.1 260.6,50.26 260.6,53.47 arc(260.52,53.87) 260.3,54.2 arc(259.97,54.42) 259.58,54.5 v1(258.9,54.5) 255.7,54.5 arc(255.42,54.45) 255.19,54.29 arc(255.05,54.08) 255,53.83 255,52.75 MX46.2 ; v1(210.4,4.3) 211.18,4.3 arc(211.48,4.24) 211.72,4.08 arc(211.97,3.91) 212.27,3.85 258.86,3.85 arc(259.4,3.96) 259.87,4.27 arc(260.11,4.64) 260.2,5.07 v1(260.2,16.7)
Col14: length 289.8
  Top w0.2: v1(210.9,3.5) 207.16,3.5 arc(206.09,3.71) 205.18,4.32 arc(204.21,4.97) 203.06,5.2 179.36,5.2 arc(177.27,4.79) 175.5,3.6 arc(173.62,2.34) 171.39,1.9 v1(109.5,1.9) ; MX15.2 268.72,89.19 269.43,88.47 arc(269.73,88.27) 270.08,88.2 276.94,88.2 arc(277.68,88.05) 278.31,87.63 arc(278.67,87.09) 278.8,86.46 278.8,83.37 MX16.1 280.1,82.07 280.1,80.45 arc(280.2,79.94) 280.49,79.51 arc(280.94,79.21) 281.48,79.1 281.97,79.1 arc(282.46,79) 282.88,78.73 arc(283.19,78.26) 283.3,77.71 283.3,33.45 arc(283.13,32.57) 282.63,31.83 arc(281.93,31.36) 281.11,31.2 280.47,31.2 ; v1(266.7,26.5) 266.7,28.58 arc(266.89,29.52) 267.42,30.32 arc(268.39,30.97) 269.54,31.2 280.47,31.2 ; MX62.1 278.9,26.12 278.9,29.7 arc(279.01,30.25) 279.32,30.72 arc(279.85,31.08) 280.47,31.2 ; v1(284.1,83.7) v1(284.1,81.7) ; v1(273.3,91.3) v1(273.3,89.3) ; v1(284.1,26.5) v1(284.1,24.5)
  Bottom w0.2: v1(266.7,26.5) 266.7,23.52 arc(266.49,22.49) 265.91,21.61 arc(264.9,20.94) 263.72,20.7 262.3,20.7 arc(261.75,20.59) 261.28,20.28 arc(261,19.86) 260.9,19.36 260.9,4.72 arc(260.81,4.24) 260.54,3.84 arc(260.16,3.59) 259.73,3.5 v1(210.9,3.5) ; v1(109.5,1.9) 108.58,1.9 arc(108.14,1.99) 107.76,2.24 arc(107.53,2.58) 107.45,2.99 107.45,6.42 arc(107.37,6.81) 107.15,7.15 arc(106.93,7.48) 106.85,7.86 U1.29
